# Altium PCB unisat_trx_board.PcbDoc (part 2 of 2)
Units mm, origin at the board's own origin, x right, y up, seen from the top; angles counter-clockwise.
Board outline 34.2 x 71.2 mm, 4 copper layers (Top Layer, Ground Plane, Power Plane, Bottom Layer), stack 0.97 mm thick; 102 components, 80 nets, 454 pads, 223 vias.
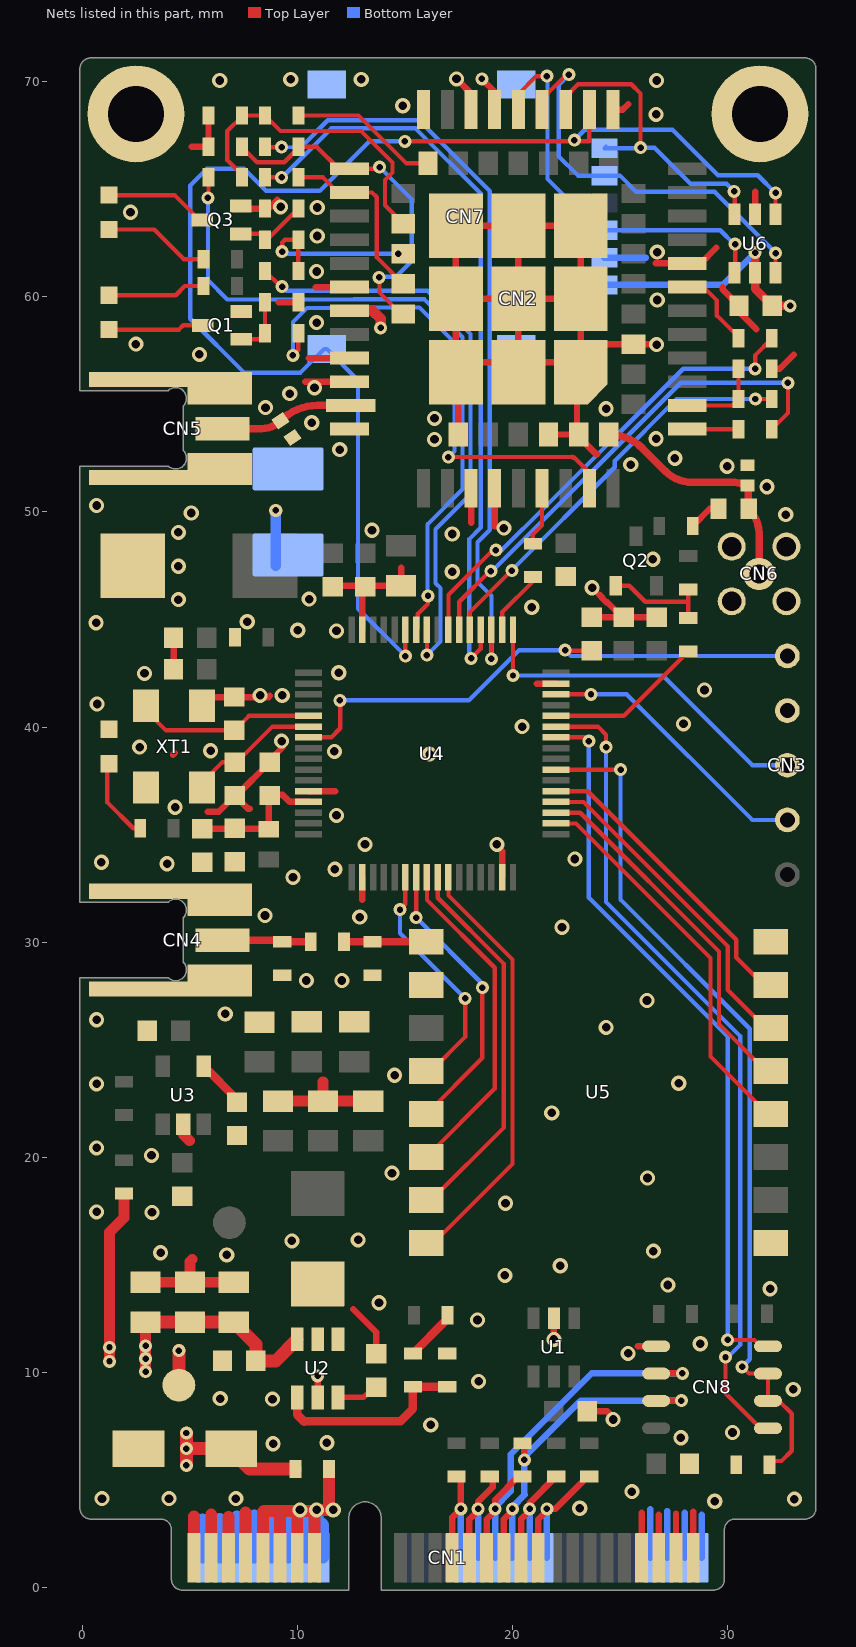
[diagram p4: the nets of this part, all layers, seen from the top]

## Via types
v1: diameter 0.705, hole 0.4, Top Layer to Bottom Layer, tented both sides, 125 vias
v2: diameter 0.605, hole 0.3, Top Layer to Bottom Layer, tented both sides, 97 vias
v3: diameter 0.605, hole 0.3, Top Layer to Bottom Layer, tented bottom, 1 vias

## Nets (pads, with @x,y where several pads share a name; then routed paths per layer and width w, separated by ;. In a path a pad name is that pad's centre, name@x,y a point inside that pad or via, vN(x,y) a via of type N, cw(c..) or ccw(c..) an arc to the next point about the centre after c; other vN are vias at no path point) (continued)
GND: BAT1.2 C1.2 C3.2 C4.1 C5.1 C6.2 C7.2 C8.2 C9.2 C10.2 C11.1 C12.1 C13.1 C14.1 C15.2 C16.2 C17.1 C18.1 C19.1 C20.1 C21.1 C22.1 C23.1 C24.1 C25.1 C26.1 C27.1 C28.2 C29.2 C30.2 C31.1 C32.1 CN1.1 CN1.2 CN1.3 CN1.4 CN1.5 CN1.6 CN1.7 CN1.8 CN1.45 CN1.46 CN1.47 CN1.48 CN1.49 CN1.50 CN1.51 CN1.52 CN2.8 CN2.13 CN2.19 CN2.21 CN2.27 CN2.30 CN2.31 CN2.33 CN2.36 CN2.37 CN2.45 CN2.63 CN2.66 CN2.67 CN2.PAD CN3.2 CN4.1 CN5.1 CN6.1 CN7.C5 CN7.S1 CN7.S2 CN7.S3 CN8.5 D1.1 D3.1 D4.1 D5.1 pad.1 Q1.2 Q3.2 R11.1 R15.1 R16.1 R19.1 R20.1 R24.1 R28.1 R32.1 R37.1 R39.1 U1.2 U2.1 U3.2 U4.12 U4.18 U4.31 U4.47 U4.63 U5.2 U5.9 U5.16 U6.2 XT1.2 XT1.4 | length 147.3
  Top Layer w0.3: C18.1@4.2,42.65 C18.1@4.25,42.7 C19.1@4.25,44.15 ; 4.225,38.725 4.3,38.8 ; 5.1,66.975 R32.1@5.875,66.975 R28.1@5.875,68.425 ; XT1.2@5.575,41 5.975,41.4 C26.1@7.075,41.4 8.675,41.4 8.725,41.45 ; 5.85,36.075 6.349,36.075 C25.1@7.099,36.825 ; Q3.2@7.375,64.225 7.5,64.1 R37.1@8.5,64.1 8.675,64.1 9.075,64.5 ; 7.8,36.2 7.724,36.2 C25.1@7.099,36.825 ; 9.15,59.75 R15.1@10.05,59.75 ; v1@9.3,39.425 9.3,39.05 8.725,38.475 C24.1@8.725,38.375 7.175,36.825 C25.1@7.099,36.825 ; 10.375,56.05 CN2.31@12.425,56.05 ; U4.12@10.525,37.025 11.775,37.025 ; 10.525,57.15 CN2.30@12.425,57.15 ; 10.85,60.45 CN2.27@12.425,60.45 ; C14.1@11.875,46.5 11.95,46.575 C16.2@14.225,46.575 ; 13.025,31.975 U4.18@13.025,33.025 ; U4.63@13.025,44.525 13.025,46.4 C13.1@13.15,46.525 ; C16.2@14.825,46.575 14.825,47.4 ; CN2.PAD@17.375,56.5 17.475,56.4 CN2.63@17.475,53.6 ; v1@17.5,70.025 18.075,69.45 CN2.19@18.075,68.7 ; 18.075,49.5 CN2.36@18.075,51.1 ; 19.175,49.325 CN2.37@19.175,51.1 ; U4.31@19.525,33.025 19.525,34.225 ; CN2.PAD@20.275,56.5 CN2.PAD@20.275,56.965 ; 21.125,42.025 U4.47@22.025,42.025 ; CN2.66@21.675,53.6 CN2.67@23,53.6 ; v1@21.925,11.625 U1.2@21.925,12.525 ; CN2.PAD@22.71,56.5 23,56.21 CN2.67@23,53.6 ; C1.2@23.475,8.2 24.4,8.2 v1@24.625,7.975 ; C27.1@23.675,45.1 C21.1@24.775,45.1 ; 23.95,52.675 23.905,52.675 23,53.58 CN2.67@23,53.6 ; 24.038,46.162 24.175,46.025 24.175,45.99 24.365,45.8 24.4,45.8 25.1,45.1 C21.1@25.175,45.1 C20.1@26.7,45.1 ; CN2.13@24.675,68.7 25.125,68.7 25.375,68.95 ; 25.82,11.23 CN8.5@26.675,11.23 ; CN1.45@26,1.4 26,3.5 ; 26.65,61.55 CN2.8@28.125,61.55 28.75,61.55 29.475,62.275 ; v1@26.7,57.8 CN2.45@25.625,57.8 24.01,57.8 CN2.PAD@23.175,56.965 ; CN1.47@26.8,1.4 26.8,3.4 ; CN1.49@27.6,1.4 27.6,3.45 ; CN1.51@28.4,1.4 28.4,3.55 ; 29.779,60.436 29.779,60.321 C31.1@30.525,59.575 30.525,59.3 31.325,58.5 ; U6.2@31.275,63.825 31.275,64.875 ; R24.1@32.05,56.65 32.425,56.65 33.075,57.3 ; CN2.PAD@17.375,59.9 17.375,56.9 17.575,56.7 17.84,56.965 CN2.PAD@20.275,56.965 ; CN2.PAD@17.375,59.9 CN2.PAD@20.275,59.9 ; CN2.PAD@17.375,59.9 CN2.PAD@17.375,63.3 CN2.PAD@20.275,63.3 ; CN2.PAD@20.275,56.965 CN2.PAD@20.275,59.9 ; CN2.PAD@20.275,56.965 CN2.PAD@23.175,56.965 ; CN2.PAD@20.275,59.9 CN2.PAD@23.175,59.9 ; CN2.PAD@20.275,59.9 CN2.PAD@20.275,63.3 ; CN2.PAD@20.275,63.3 CN2.PAD@23.175,63.3 CN2.PAD@23.175,59.9 ; CN2.PAD@23.175,56.965 CN2.PAD@23.175,59.9
  Top Layer w0.5: C6.2@2.95,14.204 2.954,14.2 C4.1@5.01,14.2 ; U3.2@4.7,21.55 4.7,21.069 4.994,20.775 ; 5.125,15.275 5.01,15.16 C4.1@5.01,14.2 ; C5.1@7.05,14.2 C4.1@5.01,14.2 ; C9.2@9.1,22.625 C8.2@11.2,22.625 ; 11.2,23.525 C8.2@11.2,22.625 ; C7.2@13.3,22.625 C8.2@11.2,22.625
  Top Layer w0.55: CN1.1@5.2,1.4 5.2,3.325 ; CN1.3@6,1.4 6,3.425 ; CN1.5@6.8,1.4 6.8,3.3 ; CN1.7@7.6,1.4 7.6,3.5
  Bottom Layer w0.3: CN7.C5@24.275,61.82 26.205,61.82 ; CN1.46@26.4,1.4 26.4,3.65 ; CN1.48@27.2,1.4 27.2,3.575 ; CN1.50@28,1.4 28,3.5 ; CN1.52@28.8,1.4 28.8,3.4
  Bottom Layer w0.55: CN1.2@5.6,1.4 5.6,3.175 ; CN1.4@6.4,1.4 6.4,3.2 ; CN1.6@7.2,1.4 7.2,3.325 ; CN1.8@8,1.4 8,3.375
  other v1: 23.125,3.7 29.4,4.025 33.1,4.125 0.925,4.15 4.038,4.15 7.15,4.15 25.55,4.475 8.875,6.7 11.375,6.75 27.825,6.975 30.225,7.225 16.2,7.575 24.675,7.825 8.85,8.775 6.425,8.8 33.05,9.225 18.425,9.6 25.375,10.9 28.725,11.35 21.925,11.55 18.375,12.45 13.8,13.25 31.975,13.9 27.225,14.075 19.65,14.525 22.225,14.975 6.725,15.475 3.65,15.575 26.55,15.65 9.75,16.125 12.825,16.175 3.25,17.45 0.675,17.475 19.675,17.875 26.275,19.05 14.4,19.275 3.225,20.1 0.675,20.45 21.825,22.075 0.675,23.425 27.725,23.45 14.525,23.825 24.35,26.05 0.675,26.4 6.65,26.675 26.25,27.3 10.425,28.225 12.075,28.225 22.3,30.7 12.9,31.175 8.5,31.25 9.8,33.025 11.75,33.4 3.95,33.65 0.9,33.725 22.9,33.875 13.15,34.55 19.275,34.55 11.825,35.9 4.325,36.275 16.15,38.75 5.975,38.9 11.725,38.875 2.675,39.075 9.275,39.35 20.45,40.025 27.95,40.15 0.7,41.075 8.275,41.475 9.3,41.475 28.925,41.725 2.9,42.5 11.925,42.525 11.825,44.475 10.025,44.5 0.65,44.85 7.675,44.9 20.9,45.575 4.475,45.925 10.55,45.95 23.7,46.475 17.2,47.225 4.475,47.475 26.525,47.8 17.2,48.975 4.475,49.05 13.475,49.15 19.6,49.25 32.7,49.875 5.075,49.95 0.675,50.3 31.825,51.175 29.975,52.125 25.5,52.2 27.55,52.5 11.975,52.9 16.375,53.375 26.675,53.4 10.675,54.15 16.375,54.35 24.35,54.8 8.525,54.85 9.65,55.5 10.8,55.775 5.45,57.325 26.7,57.775 2.5,57.8 10.9,58.8 26.725,59.85 10.9,61.175 26.725,62.075 10.925,62.825 2.25,63.925 10.925,64.15 9.225,64.175 26.675,68.475 14.9,68.875 6.4,70.05 26.7,70.05 9.7,70.1 12.975,70.1 17.4,70.125
GPS_1PPS: CN2.60 R29.2 R35.2 | length 8.1
  Top Layer w0.2: v2(9.3,62.1) 9.3,62.525 9.425,62.65 R35.2@10.05,62.65 R29.2@10.05,61.2
  Bottom Layer w0.2: v2(9.3,62.1) 9.4,62 v3(14.7,62)
GPS_PEN: CN2.59 R26.2 R27.1 R28.2 | length 14.7
  Top Layer w0.2: R26.2@7.425,65.55 7.425,65.675 6.75,66.35 6.75,67.7 7.425,68.375 R28.2@7.425,68.425 R27.1@8.5,68.425 9.225,67.7 12.967,67.7 14.425,66.242 14.425,65.775 14.075,65.425 14.075,64.25 CN2.59@14.925,63.4
GPS_RXD: CN2.22 CN2.62 R31.2 R32.2 | length 16.7
  Top Layer w0.2: R32.2@7.425,66.975 7.425,66.961 8.136,66.25 9.392,66.25 10.05,66.908 R31.2@10.05,66.975 10.9,66.975 11.925,65.95 CN2.22@12.425,65.95 13.75,65.95 v2(13.825,66.025) ; v2(13.803,60.906) 13.825,60.883 13.825,60.2 CN2.62@14.825,59.2 ; CN2.62@14.7,59.2 CN2.62@14.825,59.2 ; CN2.62@14.925,59.2 CN2.62@14.825,59.2
  Bottom Layer w0.2: v2@13.826,60.775 13.976,60.925 14.575,60.925 15.325,61.675 15.325,64.525 v2(13.825,66.025)
GPS_TXD: CN2.23 CN2.61 R30.2 | length 8
  Top Layer w0.2: R30.2@10.05,65.55 11.2,65.55 11.9,64.85 CN2.23@12.175,64.85 ; CN2.23@12.775,64.85 13.475,64.85 13.7,64.625 13.7,61.825 CN2.61@14.925,60.6
GSM_NTL: CN2.41 R14.2 | length 24.4
  Top Layer w0.2: v2(9.8,57.275) 10.05,57.525 R14.2@10.05,58.3 ; v2(17.026,52.553) 22.753,52.553 22.775,52.575 22.825,52.525 22.85,52.55 23.575,51.825 CN2.41@23.575,51.1
  Bottom Layer w0.2: v2(9.8,57.275) 9.8,58.825 10.453,59.478 13.047,59.478 13.075,59.505 15.675,59.505 17.303,57.878 17.303,52.828 17.028,52.553 v2(17.026,52.553) 16.928,52.553 16.9,52.525 v2@16.85,52.575
GSM_RI: CN2.7 R21.2 | length 4.2
  Top Layer w0.2: CN2.7@27.775,60.45 CN2.7@28.125,60.45 28.875,60.45 29.5,59.825 29.5,59.125 30.5,58.125 R21.2@30.5,58.075 R21.2@30.5,58.05
GSM_RXD: CN2.2 R23.2 R24.2 | length 4.2
  Top Layer w0.2: CN2.2@27.775,54.95 CN2.2@28.125,54.95 30.2,54.95 R23.2@30.5,55.25 R24.2@30.5,56.65
GSM_TXD: CN2.1 R22.2 | length 2.7
  Top Layer w0.2: CN2.1@27.775,53.85 CN2.1@28.125,53.85 R22.2@30.5,53.85
NetBAT1_1: BAT1.1 CN2.28 | length 4.6
  Top Layer w0.5: CN2.28@12.425,59.35 12.45,59.375 13.475,59.375 13.876,58.974 v2(13.876,58.553)
  Bottom Layer w0.5: BAT1.1@9,47.5 v2(9,50.075)
NetC2_1: C2.1 L1.1 U2.2 | length 2.5
  Top Layer w0.3: 12.6,12.95 13.675,11.875 C2.1@13.675,10.875
NetC2_2: C2.2 U2.6 | length 1.8
  Top Layer w0.254: U2.6@11.9,8.85 13.075,8.85 C2.2@13.55,9.325
NetC11_2: C11.2 U3.4 | length 2.2
  Top Layer w0.4: U3.4@5.65,24.25 C11.2@7.2,22.7
NetC22_2: C22.2 C23.2 C24.2 FB1.2 U4.13 | length 6.6
  Top Layer w0.3: C23.2@5.575,35.275 8.655,35.275 FB1.2@8.675,35.255 8.675,36.775 C24.2@8.725,36.825 8.75,36.85 9.325,36.85 9.65,36.525 U4.13@10.525,36.525
NetC25_2: C25.2 U4.6 XT1.1 | length 6.3
  Top Layer w0.2: XT1.1@5.35,37.2 6.525,38.375 C25.2@7.099,38.375 7.2,38.375 8.85,40.025 U4.6@10.525,40.025
NetC26_2: C26.2 U4.5 XT1.3 | length 8.5
  Top Layer w0.2: XT1.3@2.75,41 3.9,39.85 C26.2@7.075,39.85 7.75,40.525 U4.5@10.525,40.525
NetCN1_9: CN1.9 CN1.10 CN1.11 CN1.12 CN1.13 CN1.14 CN1.15 CN1.16 F1.1 | length 25.6
  Top Layer w0.55: CN1.9@8.4,1.4 8.4,3.525 8.45,3.575 9.25,3.575 ; CN1.11@9.2,1.4 9.2,3.525 9.25,3.575 ; CN1.13@10,1.4 10,3.55 v1@9.975,3.575 ; CN1.15@10.8,1.4 10.8,3.425 v1@10.95,3.575 ; F1.1@11.475,5.525 11.475,3.75 11.6,3.625 10.95,3.625 v1@10.95,3.575 ; 9.25,3.575 v1@9.975,3.575 ; v1@9.975,3.575 v1@10.95,3.575
  Bottom Layer w0.55: CN1.10@8.8,1.4 8.8,3.55 9.613,3.55 ; CN1.12@9.6,1.4 9.6,3.537 9.613,3.55 ; CN1.14@10.4,1.4 10.4,3.525 v1@10.425,3.55 ; CN1.16@11.2,1.4 11.2,2.925 10.95,3.175 v1@10.95,3.625 ; v1@11.6,3.625 v1@10.95,3.625 ; 9.613,3.55 v1@10.425,3.55 ; v1@10.425,3.55 10.875,3.55 v1@10.95,3.625
  other v1: 10.125,3.625 10.9,3.625 11.675,3.625
NetCN1_23: CN1.23 CN1.24 R1.1 | length 6.2
  Top Layer w0.3: CN1.23@17.2,1.4 17.2,3.275 v2(17.6,3.675) R1.1@17.6,5.175
  Bottom Layer w0.3: CN1.24@17.6,1.4 v2(17.6,3.675)
NetCN1_25: CN1.25 CN1.26 R2.1 | length 6.5
  Top Layer w0.3: CN1.25@18,1.4 18,3.188 18.4,3.588 v2(18.4,3.675) 18.4,4 19.075,4.675 R2.1@19.075,5.175
  Bottom Layer w0.3: CN1.26@18.4,1.4 v2(18.4,3.675)
NetCN1_27: CN1.27 CN1.28 CN8.6 R38.2 | length 20.5
  Top Layer w0.3: CN1.27@18.8,1.4 18.8,3.188 19.2,3.588 v2(19.2,3.675) 19.2,4.1 20.275,5.175 R38.2@20.465,5.175 R38.2@20.55,5.175 ; CN8.6@26.675,9.96 26.69,9.975 v2(27.9,9.975)
  Bottom Layer w0.3: CN1.28@19.2,1.4 v2(19.2,3.675) 19.2,3.762 19.923,4.486 19.923,6.21 23.688,9.975 v2(27.9,9.975)
NetCN1_29: CN1.29 CN1.30 CN8.7 R38.1 | length 17.8
  Top Layer w0.3: CN1.29@19.6,1.4 19.6,3.188 20,3.588 v2(20,3.675) ; R38.1@20.55,6.725 v2(20.551,5.95) v2(20.551,5.95) ; CN8.7@26.675,8.69 26.665,8.7 v2(27.85,8.7)
  Bottom Layer w0.3: CN1.30@20,1.4 v2(20,3.675) 20,3.762 20.575,4.337 20.551,4.361 v2(20.551,5.95) 20.551,6.088 23.163,8.7 23.188,8.675 23.213,8.7 v2(27.85,8.7)
NetCN1_31: CN1.31 CN1.32 R3.1 | length 6.7
  Top Layer w0.3: CN1.31@20.4,1.4 20.4,3.188 20.8,3.588 v2(20.8,3.675) 20.8,3.95 R3.1@22.025,5.175
  Bottom Layer w0.3: CN1.32@20.8,1.4 v2(20.8,3.675)
NetCN1_33: CN1.33 CN1.34 R4.1 | length 7.2
  Top Layer w0.3: CN1.33@21.2,1.4 21.2,3.188 21.6,3.588 v2(21.6,3.675) 22,3.675 R4.1@23.5,5.175
  Bottom Layer w0.3: CN1.34@21.6,1.4 v2(21.6,3.675)
NetCN2_32: CN2.32 CN5.2 D4.2 | length 6.7
  Top Layer w0.348: CN5.2@6.25,53.875 CN5.2@6.525,53.875 8.349,53.875 ccw(c8.349,55.118) D4.2@9.228,54.239 cw(c10.944,52.523) D4.2@9.228,54.239 cw(c10.944,52.523) 10.944,54.95 CN2.32@12.475,54.95 CN2.32@12.675,54.95
NetCN2_39: CN2.39 R12.2 | length 2.8
  Top Layer w0.2: R12.2@20.95,48.525 20.95,48.95 21.375,49.375 CN2.39@21.375,51.1
NetCN2_57: CN2.57 R27.2 | length 6.9
  Top Layer w0.2: R27.2@10.05,68.425 12.85,68.425 15.075,66.2 CN2.57@16.075,66.2
NetCN2_68: CN2.68 CN6.2 D5.2 L2.2 | length 11.4
  Top Layer w0.348: CN2.68@24.475,53.6 cw(c24.475,51.367) 26.054,52.946 27.1,51.9 ccw(c28.367,53.167) 28.367,51.375 30.321,51.375 cw(c30.321,50.521) D5.2@30.925,51.125 ; D5.2@30.95,51.125 30.95,50.18 L2.2@30.98,50.15 cw(c29.821,48.991) 31.46,48.991 CN6.2@31.46,47.12
NetCN4_2: CN4.2 R18.2 R20.2 | length 4.1
  Top Layer w0.348: CN4.2@6.525,30.1 9.225,30.1 R20.2@9.3,30.025 R18.2@10.625,30.025
NetCN8_1: CN8.1 U4.43 | length 38.7
  Top Layer w0.2: U4.43@22.025,40.025 23.975,40.025 24.35,39.65 v2(24.35,39.075) ; v2(29.9,10.725) 29.9,9.05 31.53,7.42 CN8.1@31.875,7.42
  Bottom Layer w0.2: v2(24.35,39.075) 24.35,31.875 30.579,25.646 30.579,11.286 30.018,10.725 v2(29.9,10.725)
NetCN8_2: CN8.2 CN8.3 R39.2 U4.39 | length 40.3
  Top Layer w0.2: U4.39@22.025,38.025 v2(25.025,38.025) ; v2(30.675,10.275) 30.99,9.96 CN8.3@31.875,9.96 CN8.2@31.875,8.69 32.385,8.69 32.975,8.1 32.975,6.375 32.5,5.9 R39.2@31.95,5.9
  Bottom Layer w0.2: v2(25.025,38.025) 25.025,31.986 31.025,25.986 31.025,10.625 v2(30.675,10.275)
NetCN8_4: CN8.4 U4.42 | length 34.4
  Top Layer w0.2: U4.42@22.025,39.525 23.375,39.525 v2(23.55,39.35) ; v2(30.001,11.526) 31.249,11.526 31.545,11.23 CN8.4@31.875,11.23 CN8.4@32.18,11.23
  Bottom Layer w0.2: v2(23.55,39.35) 23.55,32.075 30.001,25.624 v2(30.001,11.526)
NetD2_1: D2.1 Q1.3 | length 4.4
  Top Layer w0.2: D2.1@1.25,58.475 4.5,58.475 4.7,58.675 Q1.3@5.6,58.675
NetD2_2: D2.2 R13.1 | length 4.6
  Top Layer w0.2: D2.2@1.25,60.075 4.35,60.075 4.775,60.5 R13.1@5.65,60.5
NetD3_2: D3.2 R17.2 | length 3.8
  Top Layer w0.2: D3.2@1.175,38.3 1.175,36.5 2.375,35.3 R17.2@2.7,35.3
NetD6_1: D6.1 Q3.3 | length 4.8
  Top Layer w0.2: D6.1@1.25,64.725 4.3,64.725 5.45,63.575 Q3.3@5.575,63.575
NetD6_2: D6.2 R33.1 | length 5
  Top Layer w0.2: D6.2@1.25,63.125 3.35,63.125 4.725,61.75 R33.1@5.65,61.75
NetL2_1: L2.1 R25.1 | length 1.5
  Top Layer w0.3: R25.1@28.375,49.35 29.175,50.15 L2.1@29.57,50.15
NetQ1_1: Q1.1 R14.1 R15.2 | length 2.7
  Top Layer w0.2: Q1.1@7.4,58.025 8.225,58.025 R14.1@8.5,58.3 R15.2@8.5,59.75
NetQ2_1: Q2.1 R34.1 R36.2 | length 4.7
  Top Layer w0.2: Q2.1@24.8,46.575 25.425,46.575 26.175,45.825 28.175,45.825 ; 28.175,45.35 28.175,45.825 ; R34.1@28.175,46.4 28.175,45.825
NetQ3_1: Q3.1 R35.1 R37.2 | length 3.4
  Top Layer w0.2: Q3.1@7.375,62.925 8.225,62.925 R35.1@8.5,62.65 8.6,62.65 R37.2@10.05,64.1
NetR9_1: R9.1 R11.2 U2.4 | length 9.2
  Top Layer w0.4: U2.4@10,8.85 10,8.05 10.325,7.725 10.35,7.75 14.8,7.75 15.375,8.325 R9.1@15.375,9.35 R11.2@16.975,9.35
NetR9_2: R9.2 R10.1 | length 2.4
  Top Layer w0.4: R9.2@15.375,10.9 16.975,12.5 R10.1@16.975,12.675
NetR12_1: R12.1 U4.50 | length 3
  Top Layer w0.2: U4.50@19.525,44.525 19.525,45.35 20.95,46.775 R12.1@20.95,46.975
NetR18_1: R18.1 R19.2 U5.1 | length 3.8
  Top Layer w0.348: R18.1@12.175,30.025 R19.2@13.5,30.025 U5.1@16,30.025
NetR21_1: R21.1 U4.55 | length 21.9
  Top Layer w0.2: U4.55@17.025,44.525 17.025,46.15 19.102,48.227 v2(19.226,48.227) ; v2(31.277,56.653) 31.277,57.277 R21.1@32.05,58.05
  Bottom Layer w0.2: v2(19.226,48.227) 19.502,48.227 21.555,50.28 ; 21.56,50.275 27.938,56.653 v2(31.277,56.653)
NetR22_1: R22.1 U4.54 | length 23.3
  Top Layer w0.2: U4.54@17.525,44.525 17.525,45.825 18.95,47.25 v2(19,47.25) ; R22.1@32.05,53.85 32.802,54.602 v2(32.802,56.003)
  Bottom Layer w0.2: v2(19,47.25) 19.065,47.25 27.818,56.003 v2(32.802,56.003)
NetR23_1: R23.1 U4.53 | length 19.2
  Top Layer w0.2: U4.53@18.025,44.525 18.025,45.35 19.95,47.275 v2(19.975,47.275) ; v2@31.325,55.225 ccw(c31.265,55.165) 31.265,55.25 v2(31.29,55.25) R23.1@32.05,55.25
  Bottom Layer w0.2: v2(19.975,47.275) 19.975,47.3 24.75,52.075 24.75,52.375 27.625,55.25 v2(31.29,55.25)
NetR26_1: R26.1 U4.58 | length 32.5
  Top Layer w0.2: v2@5.875,64.6 R26.1@5.875,65.55 ; U4.58@15.525,44.525 15.6,44.6 15.6,45.264 16.075,45.739 v2(16.075,46.1)
  Bottom Layer w0.2: v2(5.85,64.6) 5.85,60.775 6.75,59.875 12.614,59.875 12.62,59.88 15.914,59.88 17.678,58.117 17.678,51.053 16.048,49.423 16.048,46.298 v2@15.85,46.1 ; v2@15.85,46.1 v2(16.075,46.1)
NetR29_1: R29.1 U4.57 | length 27.9
  Top Layer w0.2: R29.1@8.5,61.2 8.503,61.203 9.231,60.475 v2(9.3,60.475) ; v2(16.025,43.35) U4.57@16.025,44.525
  Bottom Layer w0.2: v2(9.3,60.475) 9.5,60.275 16.05,60.275 18.053,58.272 18.053,50.828 16.425,49.2 16.425,46.693 16.423,46.691 16.652,46.462 16.652,43.978 v2(16.025,43.35)
NetR30_1: R30.1 U4.52 | length 35.6
  Top Layer w0.2: R30.1@8.5,65.55 8.503,65.553 v2(9.275,65.553) ; v2(18.075,43.2) 18.525,43.65 U4.52@18.525,44.525
  Bottom Layer w0.2: v2(9.275,65.553) 9.303,65.553 11.575,67.825 15.5,67.825 18.525,64.8 18.525,49.276 17.997,48.748 17.997,43.278 v2(18.075,43.2)
NetR31_1: R31.1 U4.51 | length 35.9
  Top Layer w0.2: R31.1@8.5,66.975 8.525,66.95 v2(9.275,66.95) ; v2(19.025,43.175) U4.51@19.025,44.525
  Bottom Layer w0.152: v2(9.275,66.95) 10.17,66.95
  Bottom Layer w0.2: 10.17,66.95 11.42,68.2 15.655,68.2 18.95,64.905 18.95,49.17 18.372,48.593 18.372,46.753 19.025,46.1 v2(19.025,43.175)
NetR36_1: R36.1 U4.44 | length 7.4
  Top Layer w0.2: U4.44@22.025,40.525 25.175,40.525 R36.1@28.175,43.525
NetU4_22: U4.22 U5.4 | length 11.2
  Top Layer w0.2: v2(14.775,31.525) 15.025,31.775 U4.22@15.025,33.025 ; U5.4@16,24.025 16.225,24.025 17.8,25.6 v2(17.8,27.4)
  Bottom Layer w0.2: v2(14.775,31.525) 14.775,30.425 v2(17.8,27.4)
NetU4_23: U4.23 U5.5 | length 13.4
  Top Layer w0.2: v2@15.525,31.152 U4.23@15.525,33.025 ; U5.5@16,22.025 18.6,24.625 v2(18.6,27.9)
  Bottom Layer w0.2: v2(15.526,31.152) 18.6,28.077 v2(18.6,27.9)
NetU4_24: U4.24 U5.6 | length 15.6
  Top Layer w0.2: U5.6@16,20.025 19.178,23.202 19.178,28.822 16.025,31.975 U4.24@16.025,33.025
NetU4_25: U4.25 U5.7 | length 17.9
  Top Layer w0.2: U5.7@16,18.025 16.225,18.025 19.6,21.4 19.6,28.7 ; U4.25@16.525,33.025 16.525,32.075 19.6,29 19.6,28.725
NetU4_26: U4.26 U5.8 | length 20.1
  Top Layer w0.2: U5.8@16,16.025 16.325,16.025 20,19.7 20,29.2 17.025,32.175 U4.26@17.025,33.025
NetU4_34: U4.34 U5.12 | length 18.2
  Top Layer w0.2: U4.34@22.025,35.525 22.95,35.525 29.2,29.275 29.2,24.7 31.875,22.025 U5.12@32,22.025
NetU4_35: U4.35 U5.13 | length 16.9
  Top Layer w0.2: U4.35@22.025,36.025 23.15,36.025 29.6,29.575 29.6,26.2 31.775,24.025 U5.13@32,24.025
NetU4_36: U4.36 U5.14 | length 15.5
  Top Layer w0.2: U4.36@22.025,36.525 23.3,36.525 30,29.825 30,27.8 31.775,26.025 U5.14@32,26.025
NetU4_37: U4.37 U5.15 | length 14.2
  Top Layer w0.2: U4.37@22.025,37.025 23.5,37.025 30.4,30.125 30.4,29.3 31.675,28.025 U5.15@32,28.025
RESET: C27.2 CN3.1 U4.7 | length 26.4
  Top Layer w0.2: U4.7@10.525,39.525 11.575,39.525 12,39.95 12,41.19 ccw(c11.915,41.19) v2(11.975,41.25) ; v2(22.45,43.575) 22.475,43.55 C27.2@23.675,43.55
  Bottom Layer w0.2: v2(11.975,41.25) 17.975,41.25 20.3,43.575 v2(22.45,43.575) 22.715,43.31 CN3.1@32.775,43.31 CN3.1@32.51,43.575
SIM_CLK: CN2.16 CN7.C3 U6.6 | length 19
  Top Layer w0.2: CN2.16@21.375,68.7 21.375,69.189 v2@22.536,70.35 ; U6.6@32.225,61.125 v2(32.225,62.025)
  Bottom Layer w0.2: v2(22.625,70.325) 22.15,69.85 22.15,66.525 23.045,65.63 CN7.C3@24.275,65.63 24.995,65.63 25.75,64.875 29.4,64.875 32.225,62.05 v2(32.225,62.025)
SIM_DAT: CN2.15 CN7.C7 U6.3 | length 15.2
  Top Layer w0.2: CN2.15@22.475,68.7 22.475,69.3 23.05,69.875 25.52,69.875 25.953,69.442 v2(25.953,66.928) ; v2(30.3,64.9) 30.325,64.875 U6.3@30.325,63.825 U6.3@30.325,63.75
  Bottom Layer w0.2: CN7.C7@24.35,66.975 CN7.C7@24.275,66.9 25.925,66.9 v2(25.953,66.928) 26.597,66.928 28.275,65.25 29.95,65.25 v2(30.3,64.9)
SIM_DET: CN2.14 CN7.SW U4.59 U6.1 | length 64.2
  Top Layer w0.2: v2(15,67.225) 15.003,67.222 23.575,67.222 CN2.14@23.575,68.4 ; v2(15.025,43.3) U4.59@15.025,44.525 ; U6.1@32.225,63.825 v2(32.225,64.825)
  Bottom Layer w0.2: v2(15,67.225) 13.35,67.225 11.05,64.925 8.55,64.925 7.525,65.95 5.8,65.95 5.025,65.175 5.025,58.975 7.525,56.475 10.15,56.475 11.25,57.575 CN7.SW@11.375,57.575 12.825,56.125 12.825,45.5 v2(15.025,43.3) ; v2(22.875,67.275) 23.363,67.762 27.438,67.762 29.55,65.65 31.4,65.65 v2(32.225,64.825)
SIM_RST: CN2.17 CN7.C2 U6.4 | length 18.5
  Top Layer w0.2: CN2.17@20.275,68.7 20.275,69.425 21.103,70.253 v2(21.601,70.253) ; U6.4@30.325,61.125 30.35,61.15 v2(30.35,62.45)
  Bottom Layer w0.2: v2(21.601,70.253) 21.625,70.229 21.625,65.475 23.975,63.125 24.16,63.125 24.2,63.165 CN7.C2@24.275,63.09 29.66,63.09 30.3,62.45 v2(30.35,62.45)
SIM_VDD: C31.2 CN2.18 CN7.C1 U6.5 | length 13
  Top Layer w0.3: v2(18.575,70.125) 19.175,69.525 CN2.18@19.175,68.7
  Top Layer w0.4: v2(31.275,62.05) U6.5@31.275,61.125 31.275,60.375 C31.2@32.075,59.575 v2(32.9,59.575)
  Bottom Layer w0.3: CN7.C1@24.275,60.55 29.775,60.55 ; 29.8,60.55 29.775,60.55 ; v2(31.275,62.05) 29.775,60.55
SWCLK: CN3.3 U4.49 | length 16.6
  Top Layer w0.2: v2(20.025,42.4) U4.49@20.025,44.525
  Bottom Layer w0.2: v2(20.025,42.4) 26.98,42.4 31.15,38.23 CN3.3@32.775,38.23
SWDIO: CN3.4 U4.46 | length 13.2
  Top Layer w0.2: U4.46@22.025,41.525 v2(23.65,41.525)
  Bottom Layer w0.2: v2(23.65,41.525) 25.315,41.525 31.15,35.69 CN3.4@32.775,35.69
VIN: C3.1 C4.2 C5.2 C6.1 D1.2 F1.2 R7.1 TP1.0 U2.3 U2.5 | length 28.6
  Top Layer w0.3: U2.5@10.95,8.85 v2(10.95,9.85)
  Top Layer w0.5: v2(1.275,10.525) v2(1.275,11.175) 1.275,16.525 1.95,17.2 R7.1@1.95,18.325 ; v2(2.95,10.05) v2(2.95,10.65) v2(2.95,11.25) C6.1@2.95,12.354
  Top Layer w0.6: C6.1@2.95,12.354 C5.2@7.046,12.354 ; TP1.0@4.5,9.425 v2(4.5,11.025) ; v2(4.85,5.7) v2(4.85,6.475) ; v2(4.85,7.2) v2(4.85,6.475) ; C5.2@7.05,12.35 8.075,11.325 C3.1@8.075,10.55 9,10.55 U2.3@10,11.55 ; F1.2@9.925,5.525 7.775,5.525 6.825,6.475 v2(4.85,6.475)
  Top Layer w0.7: C5.2@7.046,12.354 C5.2@7.05,12.35
pads on no net: CN1.17 CN1.18 CN1.19 CN1.20 CN1.21 CN1.22 CN1.35 CN1.36 CN1.37 CN1.38 CN1.39 CN1.40 CN1.41 CN1.42 CN1.43 CN1.44 CN2.3 CN2.4 CN2.5 CN2.6 CN2.9 CN2.10 CN2.11 CN2.12 CN2.20 CN2.24 CN2.25 CN2.26 CN2.29 CN2.38 CN2.42 CN2.43 CN2.44 CN2.46 CN2.47 CN2.48 CN2.49 CN2.50 CN2.51 CN2.52 CN2.53 CN2.54 CN2.55 CN2.56 CN2.58 CN2.64 CN2.65 CN7.C6 U4.2 U4.3 U4.4 U4.8 U4.9 U4.10 U4.11 U4.14 U4.15 U4.17 U4.20 U4.21 U4.27 U4.28 U4.33 U4.38 U4.45 U4.56 U4.61 U4.62 U5.10 U5.11

## Polygon pours and split planes (outlines as drawn)
GND on Top Layer "Top Layer-GND" (solid, remove dead copper, pour order 4): 0.075,71 33.925,71 33.925,64.675 33.925,3.349 0.075,3.349
+4V2 on Top Layer "+4V2_L01_P000" (solid, pour order 0): 12.174,17.275 13.525,18.626 13.525,20.345 10.507,20.357 9.725,19.575 9.725,17.275
NetC2_1 on Top Layer "NETC2_1_L01_P002" (solid, pour order 2): 9.05,12.8 9.05,15.175 12.861,15.175 12.861,12.8 11.563,12.412 11.25,12.1 10.65,12.1 10.338,12.412
GND on Bottom Layer "Bot Layer-GND" (solid, remove dead copper, pour order 6): 0.075,3.2 0.075,71 33.925,71 33.925,3.2
GND on Ground Plane (split plane): 306 vertices, not listed, extent 0.41,0.41 33.59,70.59
SIM_VDD on Power Plane (split plane): 33.59,70.59 33.59,58.852 28.083,58.852 16.902,70.033 16.902,70.59
+4V2 on Power Plane (split plane): 7.173,39.6 7.182,39.502 7.211,39.408 7.257,39.321 7.32,39.245 10.873,35.692 10.873,28.3 10.873,24 10.882,23.902 10.911,23.808 10.957,23.721 11.02,23.645 11.096,23.582 11.183,23.536 11.277,23.507 11.375,23.498 17.548,23.498 17.548,16.475 17.557,16.377 17.573,16.326 17.573,12.627 13.15,12.627 13.052,12.618 13.001,12.602 0.502,12.602 0.502,16.975 0.493,17.073 0.464,17.167 0.418,17.254 0.41,17.263 0.41,27.846 3.841,27.846 3.871,27.83 4.055,27.754 4.093,27.742 4.151,27.725 4.251,27.715 4.449,27.715 4.549,27.725 4.607,27.742 4.645,27.754 4.829,27.83 4.87,27.852 4.917,27.877 4.976,27.925 4.989,27.932 5.066,27.996 5.129,28.073 5.133,28.079 5.135,28.081 5.198,28.158 5.22,28.2 5.245,28.247 5.322,28.43 5.351,28.526 5.36,28.626 5.36,28.725 5.36,28.825 5.351,28.924 5.322,29.02 5.245,29.204 5.22,29.251 5.215,29.26 5.215,30.94 5.22,30.949 5.245,30.996 5.322,31.18 5.351,31.275 5.36,31.375 5.36,31.474 5.36,31.574 5.36,31.599 5.351,31.698 5.322,31.794 5.245,31.978 5.22,32.025 5.198,32.066 5.135,32.144 5.089,32.189 5.066,32.218 5.038,32.241 4.994,32.284 4.917,32.348 4.829,32.395 4.645,32.471 4.549,32.5 4.449,32.51 4.251,32.51 4.151,32.5 4.055,32.471 3.871,32.395 3.819,32.367 0.41,32.367 0.41,49.348 7.173,49.348
+3V3 on Power Plane (split plane): 15.898,70.59 15.898,69.825 15.907,69.727 15.936,69.633 15.982,69.546 16.045,69.47 27.52,57.995 27.596,57.932 27.683,57.886 27.777,57.857 27.875,57.848 33.59,57.848 33.59,49.549 29.575,49.549 29.575,44.8 33.59,44.8 33.59,3.71 30.35,3.711 30.35,3.71 30.251,3.71 30.215,3.707 30.151,3.701 30.123,3.692 30.055,3.672 29.871,3.596 29.824,3.57 29.783,3.548 29.769,3.537 29.706,3.485 29.565,3.344 29.502,3.267 29.495,3.254 29.455,3.179 29.378,2.995 29.358,2.928 29.349,2.899 29.34,2.799 29.34,2.7 29.34,0.41 14.41,0.41 14.41,3.25 14.41,3.349 14.409,3.365 14.409,3.382 14.404,3.415 14.401,3.448 14.396,3.464 14.393,3.481 14.342,3.672 14.336,3.687 14.332,3.704 14.318,3.734 14.307,3.765 14.298,3.779 14.291,3.795 14.192,3.966 14.182,3.979 14.175,3.994 14.153,4.02 14.134,4.047 14.122,4.059 14.111,4.071 13.971,4.211 13.959,4.222 13.947,4.234 13.92,4.253 13.894,4.275 13.879,4.282 13.866,4.292 13.695,4.391 13.679,4.398 13.665,4.407 13.651,4.412 13.652,4.425 13.652,11.623 17.926,11.623 17.977,11.607 18.075,11.598 18.173,11.607 18.267,11.636 18.354,11.682 18.43,11.745 18.493,11.821 18.539,11.908 18.568,12.002 18.577,12.1 18.577,17.9 18.568,17.998 18.552,18.049 18.552,24 18.543,24.098 18.514,24.192 18.468,24.279 18.405,24.355 18.329,24.418 18.242,24.464 18.148,24.493 18.05,24.502 11.877,24.502 11.877,28.3 11.877,35.9 11.868,35.998 11.839,36.092 11.793,36.179 11.73,36.255 8.177,39.808 8.177,45.598 10.575,45.598 10.673,45.607 10.767,45.636 10.854,45.682 10.93,45.745 17.33,52.145 17.393,52.221 17.439,52.308 17.468,52.402 17.477,52.5 17.477,58.8 17.468,58.898 17.439,58.992 17.393,59.079 17.33,59.155 15.93,60.555 15.854,60.618 15.767,60.664 15.673,60.693 15.575,60.702 0.41,60.702 0.41,70.59
NetBAT1_1 on Power Plane (split plane): 16.473,58.592 16.473,52.708 10.367,46.602 8.177,46.602 8.177,49.825 8.176,49.838 8.177,49.85 8.168,49.948 8.139,50.042 8.093,50.129 8.03,50.205 7.954,50.268 7.867,50.314 7.773,50.343 7.675,50.352 0.41,50.352 0.41,51.621 3.841,51.621 3.871,51.605 4.055,51.529 4.093,51.517 4.151,51.5 4.251,51.49 4.449,51.49 4.549,51.5 4.607,51.517 4.645,51.529 4.829,51.605 4.87,51.627 4.917,51.652 4.976,51.7 4.989,51.707 5.066,51.771 5.129,51.848 5.133,51.854 5.135,51.856 5.198,51.933 5.22,51.975 5.245,52.022 5.322,52.205 5.351,52.301 5.36,52.401 5.36,52.5 5.36,52.6 5.351,52.699 5.322,52.795 5.245,52.979 5.22,53.026 5.215,53.035 5.215,54.715 5.22,54.724 5.245,54.771 5.322,54.955 5.351,55.05 5.36,55.15 5.36,55.249 5.36,55.349 5.36,55.374 5.351,55.473 5.322,55.569 5.245,55.753 5.22,55.8 5.198,55.841 5.135,55.919 5.089,55.964 5.066,55.993 5.038,56.016 4.994,56.059 4.917,56.123 4.829,56.17 4.645,56.246 4.549,56.275 4.449,56.285 4.251,56.285 4.151,56.275 4.055,56.246 3.871,56.17 3.819,56.142 0.41,56.142 0.41,59.698 15.367,59.698
VIN on Power Plane (split plane): 12.648,4.425 12.649,4.412 12.635,4.407 12.621,4.398 12.605,4.391 12.434,4.292 12.421,4.282 12.406,4.275 12.38,4.253 12.353,4.234 12.341,4.222 12.329,4.211 12.189,4.071 12.178,4.059 12.166,4.047 12.147,4.02 12.125,3.994 12.118,3.979 12.108,3.966 12.009,3.795 12.002,3.779 11.993,3.765 11.982,3.734 11.968,3.704 11.964,3.687 11.958,3.672 11.907,3.481 11.904,3.464 11.899,3.448 11.896,3.415 11.891,3.382 11.891,3.365 11.89,3.349 11.89,3.25 11.889,0.41 4.675,0.41 4.66,0.41 4.66,2.101 4.66,2.7 4.66,2.799 4.657,2.835 4.651,2.899 4.622,2.995 4.545,3.179 4.498,3.267 4.484,3.284 4.435,3.344 4.294,3.485 4.217,3.548 4.176,3.57 4.129,3.596 3.945,3.672 3.909,3.682 3.849,3.701 3.808,3.705 3.749,3.71 3.65,3.71 0.41,3.71 0.41,11.598 12.648,11.598

## Other copper
Top Layer:
  pour cut-out: 4.9,31.23 7.98,31.23 7.98,28.97 4.9,28.97
  pour cut-out: 4.9,55 4.9,52.75 7.97,52.75 7.97,55
  text ".hwver" at 12.6,5.3 h1.25
Power Plane (plane layer: these items are gaps in the copper):
  pour cut-out: 34.025,44.8 29.575,44.8 29.575,49.549 33.9,49.549 34.025,49.674
  lines w0.2: 0,60.1 0.1,60.2
  lines w1: 0,16.975 0,12.1 13.15,12.1 13.15,4.425 ; 0,49.85 7.675,49.85 ; 0.1,60.2 15.575,60.2 16.975,58.8 16.975,52.5 10.575,46.1 7.675,46.1 ; 7.675,49.825 7.675,39.6 11.375,35.9 11.375,28.3 11.375,24 18.05,24 18.05,16.475 ; 13.15,12.125 18.075,12.125 ; 16.4,71 16.4,69.825 27.875,58.35 33.975,58.35 ; 18.075,12.1 18.075,17.9

## Silkscreen, mask and mechanical layers (free items; w line width, h text height)
Top Overlay:
  drawing of 15 lines, arcs and shapes, not listed
  text "PPS" at 3.075,65.15 h0.87 r270
  text "NET" at 3.025,60.3 h0.87 r270
  text "ACT" at 0.825,44.075 h0.87 r270
  text "TRX" at 23.8,42.4 h2.6 r270
Bottom Overlay:
  drawing of 65 lines, arcs and shapes, not listed
Top Solder:
  region: 29.25,70.75 33.484,70.75 cw(c33.492,70.492) 33.75,70.5 33.75,66.25 29.25,66.25
  region: 0.25,66.25 0.25,70.484 cw(c0.508,70.492) 0.5,70.75 4.75,70.75 4.75,66.25
Bottom Solder:
  region: 29.241,70.75 33.484,70.75 cw(c33.492,70.501) 33.741,70.509 33.741,66.25 29.241,66.25
  region: 0.25,66.25 0.25,70.5 cw(c0.493,70.507) 0.485,70.75 4.75,70.75 4.75,66.25
Outline:
  lines w0.2: -0.1,3.695 -0.1,28.357 4.012,28.357 4.067,28.301 4.251,28.225 4.449,28.225 4.633,28.301 4.688,28.357 4.705,28.357 4.705,28.373 4.774,28.442 4.85,28.626 4.85,28.725 4.85,28.825 4.774,29.009 4.705,29.077 4.705,31.147 4.774,31.216 4.85,31.4 4.85,31.499 4.85,31.599 4.774,31.783 4.705,31.852 4.705,31.857 4.7,31.857 4.633,31.923 4.449,31.999 4.251,31.999 4.067,31.923 4,31.857 -0.1,31.857 -0.1,52.132 4.012,52.132 4.067,52.076 4.251,52 4.449,52 4.633,52.076 4.688,52.132 4.705,52.132 4.705,52.148 4.774,52.217 4.85,52.401 4.85,52.5 4.85,52.6 4.774,52.783 4.705,52.852 4.705,54.922 4.774,54.991 4.85,55.175 4.85,55.274 4.85,55.374 4.774,55.558 4.705,55.627 4.705,55.632 4.7,55.632 4.633,55.698 4.449,55.774 4.251,55.774 4.067,55.698 4,55.632 -0.1,55.632 -0.1,70.6 cw(c0.4,70.6) 0.4,71.1 ; -0.1,3.7 ccw(c0.4,3.7) 0.4,3.2 ; 0.394,3.2 3.65,3.2 cw(c3.65,2.7) 4.15,2.7 ; 0.4,71.1 33.6,71.1 ; 4.65,-0.1 cw(c4.65,0.4) 4.15,0.4 4.15,2.7 ; 4.67,-0.1 12.4,-0.1 ; 29.35,-0.1 ccw(c29.35,0.4) 29.85,0.4 ; 29.362,-0.1 13.9,-0.1 13.9,3.25 ccw(c13.15,3.25) 12.4,3.25 12.4,-0.1 ; 29.85,0.41 29.85,2.7 cw(c30.35,2.7) 30.35,3.2 33.6,3.2 ccw(c33.6,3.7) 34.1,3.7 34.1,70.6 ccw(c33.6,70.6) 33.6,71.1 ; 4.15,2.7 4.15,2.7 ; 12.4,-0.1 12.4,-0.1
Mechanical 29:
  lines w0.15: 2.5,5.075 7,5.075 7,7.875 2.5,7.875 2.5,5.075
  lines w0.2: 4.15,2.7 4.15,0.401 4.226,0.217 4.367,0.076 4.551,0 4.65,0 6.25,0 12.4,0 12.4,3.349 12.451,3.539 12.55,3.711 12.689,3.85 12.861,3.949 13.051,4 13.249,4 13.439,3.949 13.611,3.85 13.75,3.711 13.849,3.539 13.9,3.349 13.9,3.25 13.9,0 29.35,0 29.449,0 29.633,0.076 29.774,0.217 29.85,0.4 29.85,0.492 29.85,0.5 29.85,2.799 29.926,2.983 30.067,3.124 ; 4.15,2.7 4.15,2.7 ; 4.15,2.7 4.15,2.799 4.074,2.983 3.933,3.124 3.749,3.2 3.65,3.2 0.401,3.2 0.217,3.276 0.076,3.417 0,3.601 0,3.7 0,28.275 4.575,28.275 4.575,31.775 0,31.775 0,52.125 4.575,52.125 4.575,55.625 0,55.625 0,70.5 0,70.599 0.076,70.783 0.217,70.924 0.401,71 0.5,71 33.475,71 33.5,71 33.599,71 33.783,70.924 33.924,70.783 34,70.599 34,70.5 34,70.475 34,3.7 34,3.601 33.924,3.417 33.783,3.276 33.599,3.2 30.35,3.2 ; 30.067,3.124 30.251,3.2 30.35,3.2 ; 30.067,3.124 30.067,3.124 ; 30.067,3.124 30.067,3.124 ; 30.35,3.2 30.35,3.2
  text "D1" at 4,5.875 h1.2